# Allegro board RK_NVR_DEMO1_RK3588_LP4XD200P232SD8_V21_20211228_final_lint.brd (continued)
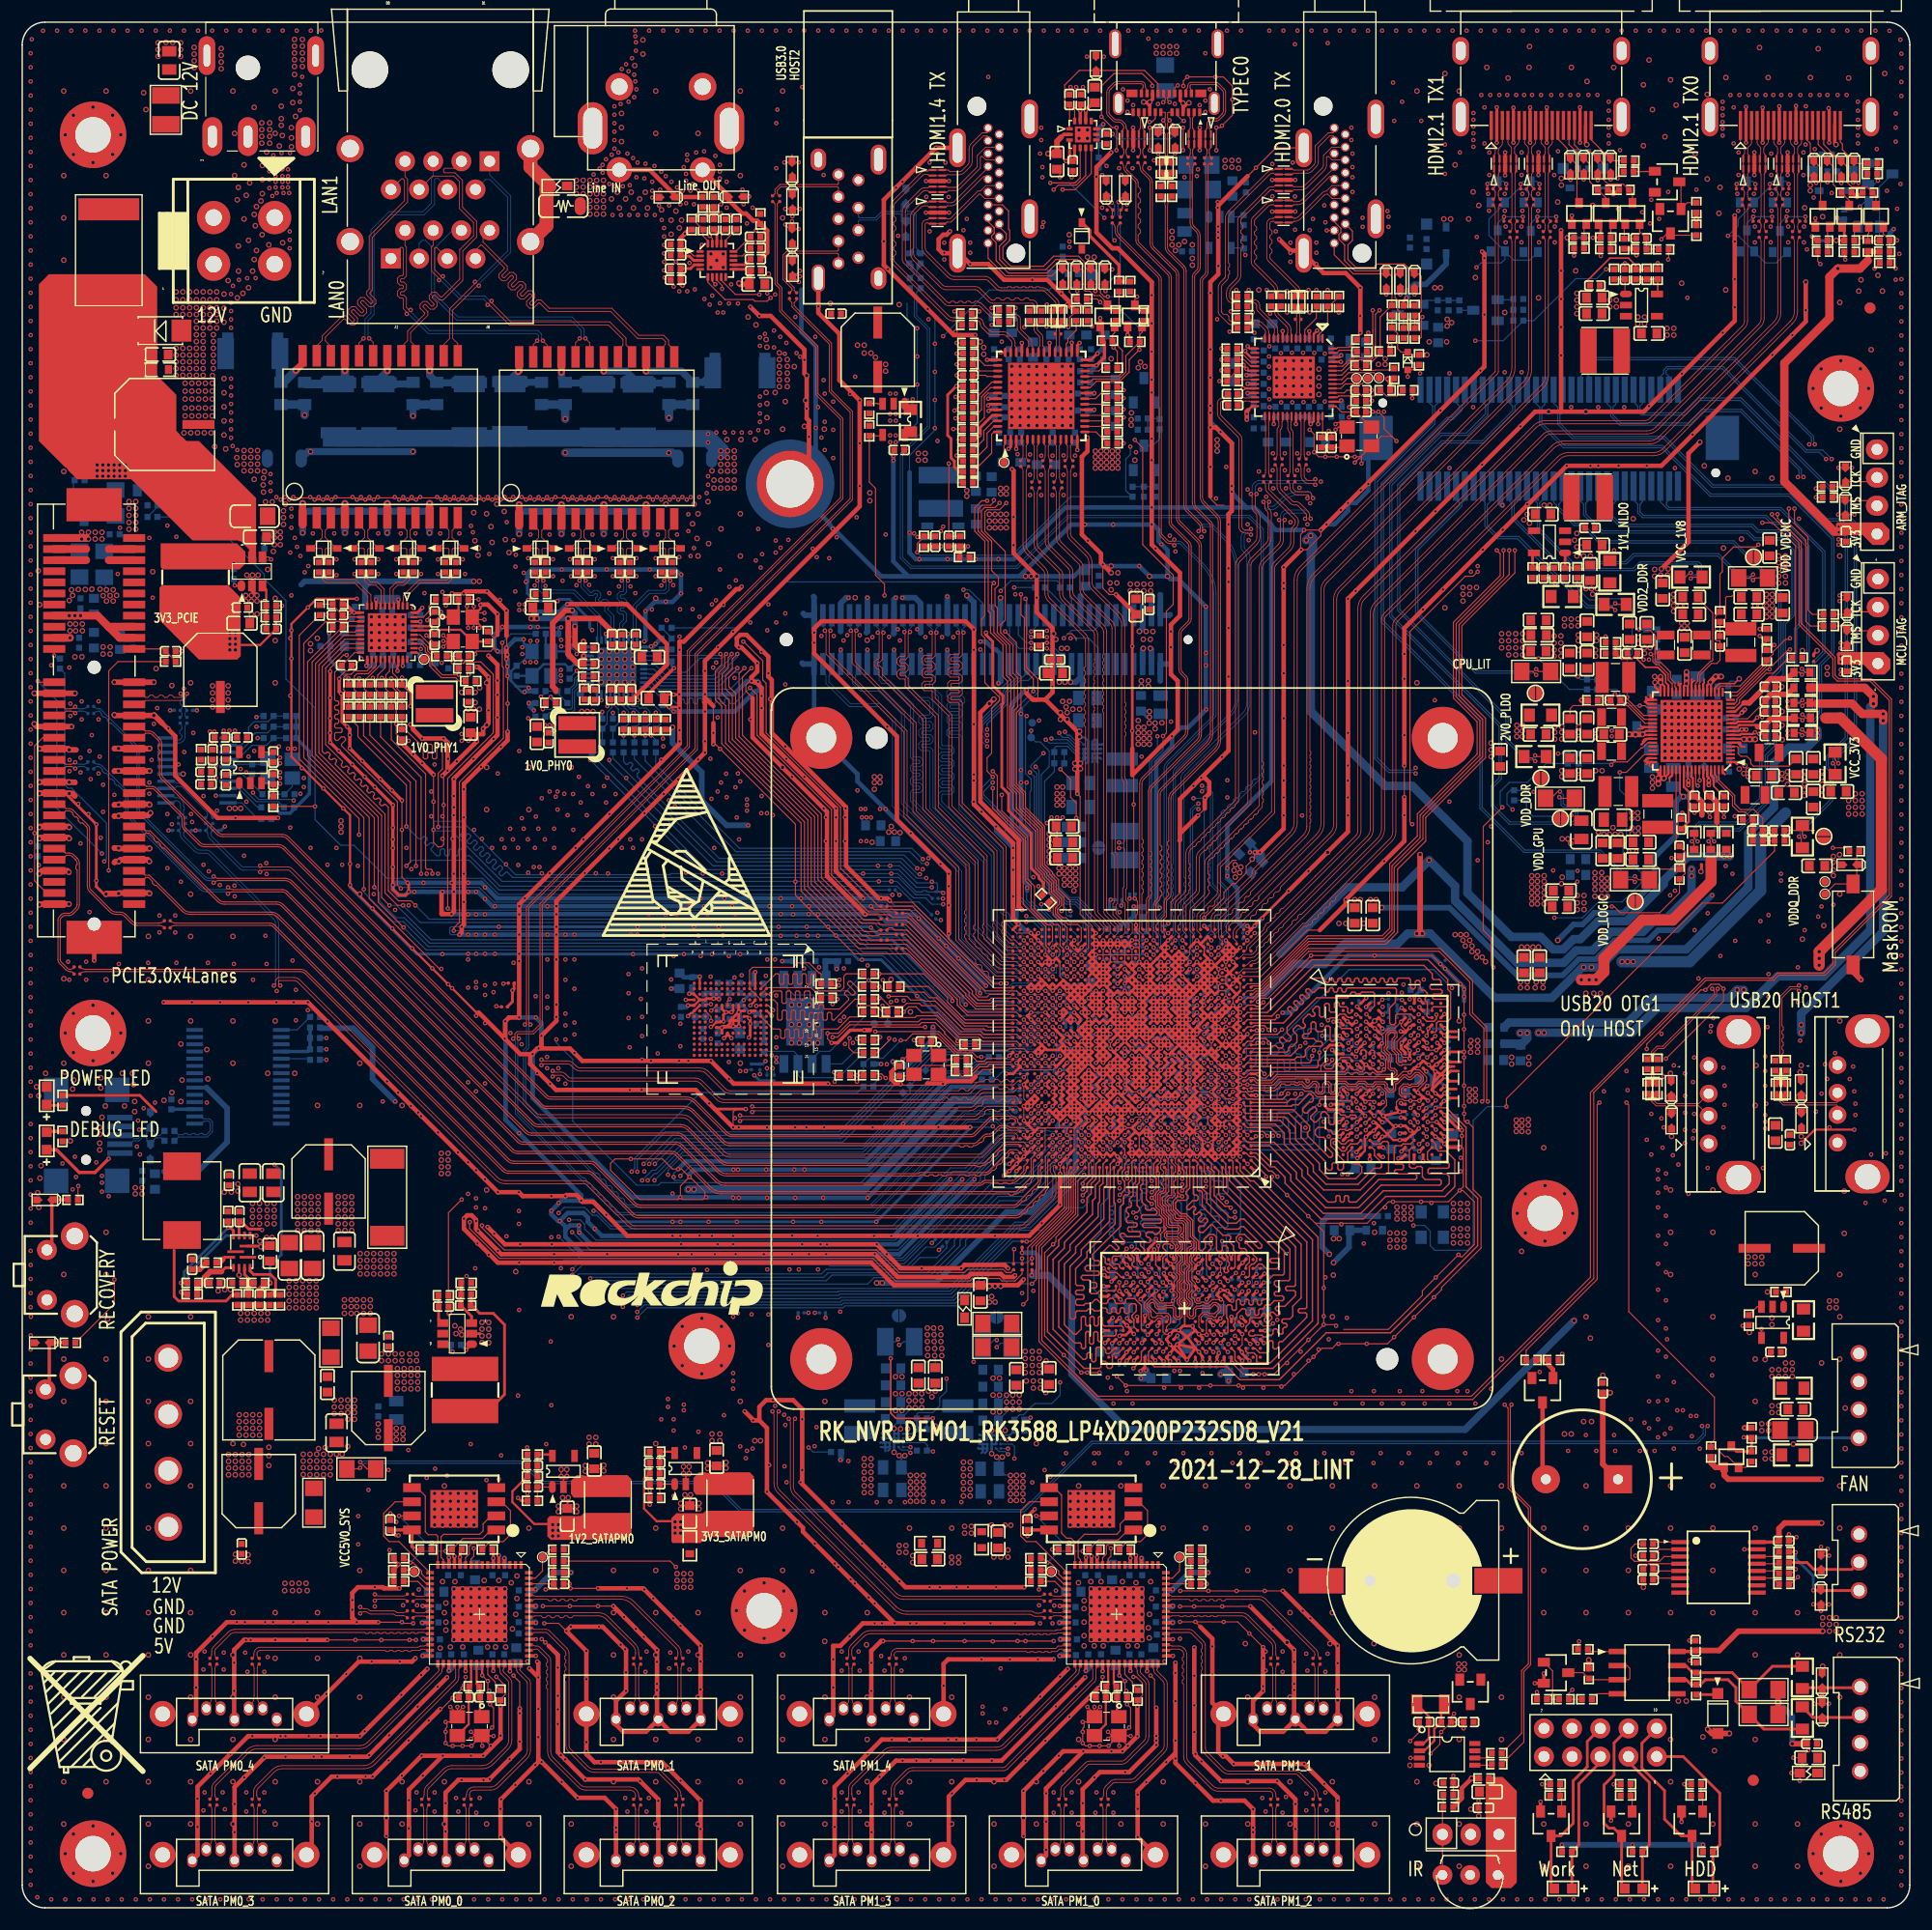
[diagram p0: board, top side]
## Routing (per net, layer and track width the routed paths; a pad name or vN(x,y) marks a point on that pad's centre or on a via; arc(x,y) is an arc through that point) (continued)
  L6-S2 w0.102: v1(33.17,35.55) 32.99,35.37 32.99,29.79 v1(33.98,28.8) ; 62.66,80.31 62.66,78.98 v1(63.24,78.4) 63.29,78.35 63.85,78.35 v1(63.9,78.4) 63.93,78.38 65.4,78.38 v1(65.48,78.45) 66.5,78.45 66.93,78.88 73.43,78.88 73.84,78.48 73.84,78.17 73.33,77.67 71.7,77.67 71.6,77.56 v1(67.94,77.56) 62.76,77.56 62.05,78.27 v1(62.05,78.33) v1(62.05,79.42) 61.93,79.42 61.54,79.8 61.54,80.1 61.75,80.31 62.66,80.31 ; 62.66,80.31 63.09,80.74 v1(63.42,80.74) v1(63.9,80.74) 63.96,80.74 64.29,80.41 65.29,80.41 v1(65.52,80.18) ; 97.46,54.86 v1(97.2,55.11) 96.82,55.49 96.82,55.72 ; 97.46,54.86 98.35,54.86 98.85,54.35 ; 97.46,54.86 97.36,54.86 96.9,54.4 96.75,54.4 96.64,54.5 96.64,55.54 96.82,55.72 ; v1(151.86,89.65) 149.05,89.65 147.47,91.24 145.13,91.24 144.41,91.97 144.41,93.65 143.23,94.82 141.31,94.82 140.18,95.95 v2(139.52,95.95) ; 71.04,85.03 70.3,85.03 69.97,84.7 69.97,83.89 70.18,83.69 ; 71.04,85.03 71.55,85.03 v1(71.8,84.78) 72.05,85.03 73.69,85.03 v1(74.04,84.68) 74.45,84.27 74.45,84.17 74.42,84.15 ; 71.04,85.03 71.8,84.27 74.3,84.27 74.42,84.15 ; 112.21,56.13 112.21,62.48 111.61,63.08 ; 112.21,56.13 112.21,55.38 110.26,53.43 110.26,51.94 110.04,51.71 v1(109.93,51.71) 109.71,51.94 109.01,51.94 108.89,51.81 108.89,51.02 v1(108.68,50.82) 108.89,50.82 109.17,50.54 109.4,50.54 109.65,50.79 110.08,50.79 110.87,51.58 110.87,53.03 112.82,54.98 112.82,63.37 110.27,65.92 ; 112.21,56.13 112.08,56 110.92,56 110.54,55.61 v1(110.51,55.61) 109.88,54.98 109.4,54.98 108.77,55.61 v1(108.6,55.61) ; 96.92,52.98 97.19,53.24 97.33,53.24 97.43,53.14 97.43,52.61 98.24,51.81 ; 96.92,52.98 96.29,52.98 95.93,53.33 95.93,62.98 96.31,63.37 96.31,64.51 97.08,65.27 97.08,65.92 ; 96.92,52.98 98.09,51.81 98.24,51.81 ; 95.52,65.92 94.54,64.94 94.54,60.06 94.16,59.68 94.16,58 ; 70.18,83.69 69.19,83.69 68.73,83.23 63.93,83.23 63.83,83.33 63.83,84.01 64.03,84.22 64.67,84.22 v1(64.82,84.07) 64.94,83.95 66.94,83.95 v1(67,84.02) 68.36,84.02 70.03,85.69 74,85.69 75.95,83.74 76.19,83.74 76.56,83.37 76.56,83.13 76.84,82.85 77.02,82.67 78.02,82.67 78.05,82.64 78.2,82.64 78.28,82.57 78.28,82.44 78.42,82.31 78.42,82.02 78.28,81.88 v1(78.28,81.65) ; 70.18,83.69 74.31,83.69 77.1,80.89 77.9,80.89 78.28,81.27 v1(78.28,81.65) ; 140.12,93.92 140.01,94.02 139.62,94.02 138.71,94.94 135.71,94.94 134.59,96.05 v1(132.05,96.05) 130.12,96.05 ; 140.12,93.92 140.12,93.5 v1(140.14,93.48) ; 140.12,93.92 140.36,93.68 142.76,93.68 143.23,93.21 143.23,91.38 144.96,89.65 ; 96.82,55.72 96.7,55.85 96.7,62.86 97.08,63.24 97.08,64.25 97.97,65.14 97.97,65.92 ; v1(62.87,120.64) 89.08,120.64 90.4,119.32 ; v1(64.69,41.6) 65.61,41.6 v1(65.81,41.39) 66.72,41.39 ; 111.54,82.42 114.33,85.21 115.49,85.21 v1(116.13,85.85) 116.58,85.39 121.38,85.39 v1(121.84,85.85) 122.4,85.29 127.58,85.29 v1(127.79,85.08) v1(129.58,83.29) 129.92,82.95 v1(129.92,82.78) v1(129.92,82.14) v1(129.92,80.51) ; 51.28,117.9 48.33,117.9 v1(48.23,117.8) ; 101.3,65.92 101.27,65.9 101.27,58.42 100.94,58.08 v1(100.84,58.08) 100.84,57.98 100.53,57.68 100.53,56.77 ; 98.85,54.35 98.25,53.74 v1(98.25,53.18) 98.25,52.91 98.59,52.57 99.47,52.57 v1(99.54,52.5) 100.17,51.87 v1(100.17,51.72) 100.53,51.36 100.53,50.69 100.38,50.54 99.36,50.54 99.18,50.72 99.18,51.25 v1(98.88,51.55) 98.63,51.81 98.24,51.81 ; 98.85,54.35 99.54,54.35 100.75,55.56 100.75,55.59 v1(100.76,55.61) 100.8,55.61 100.9,55.71 100.9,55.71 101.42,56.23 v1(101.42,56.43) 101.08,56.77 100.53,56.77 ; v1(43.6,94.06) 43.33,94.33 34.31,94.33 33.81,93.82 v1(33.4,93.82) ; 140.59,88.51 140,88.51 138.69,89.82 v2(138.69,92.32) 138.69,92.82 138.76,92.88 v2(138.76,92.91) 138.66,93.01 138.6,93.01 138.5,93.11 138.5,93.25 138.23,93.51 v1(137.95,93.51) 135.41,93.51 134.29,94.63 131.24,94.63 131.14,94.53 v1(131.14,94.43) ; v1(111.93,57.16) 111.55,56.79 110.95,56.79 110.54,57.19 110.54,57.52 111.61,58.6 111.61,63.08 ; v1(82.98,91.48) 82.95,91.48 82.57,91.1 82.57,90.77 82.88,90.47 v1(82.98,90.47) ; 68.06,72.95 67.56,73.45 62.2,73.45 62.02,73.27 ; 111.54,80.92 112.09,80.92 115.21,84.04 125.93,84.04 v1(126.29,83.69) 126.29,83.33 126.79,82.82 126.79,79.36 v1(126.7,79.26) ; 90.4,119.32 v2(90.4,120.03) ; 90.4,119.32 v1(90.4,118) ; v1(106.58,100.07) 106.53,100.02 v1(105.53,100.02) ; v1(125.9,81.86) 125.98,81.94 125.98,82.11 125.42,82.67 125.12,82.67 124.56,83.23 v1(124.46,83.23) 124.28,83.41 115.44,83.41 112.27,80.23 111.56,80.23 111.54,80.21 ; v1(147.39,42.41) 147.5,42.31 148.31,42.31 148.51,42.51 v1(148.51,43.22) ; 107.47,65.92 108.06,65.33 108.5,65.33 110.67,63.16 110.67,58.79 110.02,58.15 v1(109.97,58.15) ; 74.42,84.15 76.92,81.65 77.37,81.65 77.37,81.66 77.66,81.66 77.67,81.65 v1(78.28,81.65) ; v1(86.84,83.12) 86.92,83.19 86.92,84.13 82.07,88.98 82.07,90.26 81.84,90.49 81.84,91.37 82.36,91.89 82.36,92.26 82.12,92.5 v1(81.96,92.5) 81.93,92.46 81.65,92.46 81.18,91.99 81.18,90.16 81.46,89.88 81.46,88.48 85.58,84.35 85.58,83.17 v1(86.31,82.44) ; 120.67,78.25 120.67,79.38 120.19,79.86 v1(120.19,79.88) 119.44,79.88 v1(119.4,79.91) 119.21,79.91 118.9,79.6 118.44,79.6 v1(118.16,79.88) 117.93,79.65 117.63,79.65 117.14,79.16 v1(117.14,78.61) 117.09,78.66 116.3,78.66 v1(115.62,77.97) 115.62,77.61 115.3,77.29 111.54,77.29 ; 120.67,78.25 v1(120.95,77.97) ; 120.67,78.25 120.65,78.27 120.44,78.27 120.41,78.25 120.14,78.25 120.11,78.27 119.79,78.27 119.76,78.25 v1(119.35,78.66) 119.3,78.66 119,78.96 118.39,78.96 118.16,78.73 118.16,78.1 v1(117.4,77.34) 117.27,77.46 116.48,77.46 116.38,77.36 v1(116.38,77.29) 116.38,77.27 116.28,77.17 116.08,77.17 115.49,76.57 111.54,76.57 ; 67.1,71.62 67.1,72 66.47,72.64 64.44,72.64 63.8,72 ; 65.2,113.63 65.2,113.23 64.62,112.64 62.66,112.64 62.18,113.12 ; 158.67,82.85 159.28,82.24 160.3,82.24 160.6,82.54 160.6,82.85 v1(160.7,82.95) ; v1(65.1,44.75) 65.89,43.96 v1(65.86,43.93) 65.91,43.93 66.32,43.53 v1(68.76,43.53) 69.77,43.53 v1(70.28,44.04) ; 111.54,70.84 114.62,70.84 115.11,70.35 115.59,70.35 v1(115.62,70.32) 115.64,70.35 116.25,70.35 116.53,70.07 117.09,70.07 117.63,69.54 v1(117.73,69.54) 118.06,69.87 119.15,69.87 v1(119.43,69.59) ; 111.61,63.08 108.88,65.81 ; v1(62.25,111.8) 62.76,111.8 63.07,112.11 64.67,112.11 66.72,114.16 66.72,114.75 v1(67.13,115.16) 67.23,115.16 v1(67.95,115.87) v1(68.76,116.68) ; 111.54,68.11 112.04,67.6 113.42,67.6 113.84,67.18 118.92,67.18 119.2,66.9 123.34,66.9 v1(124,67.56) 124.25,67.56 124.64,67.94 124.64,69.63 v1(125.07,70.07) 125.23,70.22 125.71,70.22 125.73,70.24 v1(125.83,70.24) 126.19,70.6 126.67,70.6 126.92,70.35 126.92,69.94 v1(127.35,69.51) 127.3,69.51 v1(126.61,68.83) 126.61,68.85 126.26,69.21 125.4,69.21 125.27,69.08 125.27,67.56 124.89,67.18 124.89,66.67 124.36,66.13 v1(119.43,66.13) v1(118.92,66.13) 118.77,65.98 114.15,65.98 113.21,66.92 111.68,66.92 111.54,67.07 ; 100.53,56.77 100.15,56.38 v1(100.12,56.38) 100.12,56.41 99.77,56.76 99.46,56.76 99.11,57.11 99.11,57.54 v1(99.53,57.96) 99.53,58.25 100.26,58.98 v1(100.39,58.98) 100.39,59.06 100,59.45 100,59.58 v1(99.97,59.61) 99.9,59.68 99.85,59.68 99.74,59.78 99.74,61.76 99.98,62 100.16,62 v1(100.38,62.22) 100.61,62.45 100.61,62.93 100.34,63.2 100.34,64.93 100.12,65.14 100.12,65.8 100,65.92 ; v1(119.35,70.81) 119.01,70.48 118.55,70.48 118.17,70.86 v1(117.27,70.86) 117.27,71.24 116.9,71.61 111.54,71.61 ; 70.46,119.93 70.76,120.24 88.77,120.24 89.79,119.22 89.79,118.81 89.48,118.51 v1(89.48,118.41) ; v1(62.28,104.89) 71.35,113.97 v1(71.35,114.04) ; v1(71.35,114.95) 71.35,117.14 73.02,118.81 84.3,118.81 84.81,118.31 v2(85.11,118.31) 85.32,118.51 85.32,118.91 85.01,119.22 72.84,119.22 70.48,116.87 70.48,115.16 70.38,115.05 ; v1(151.66,82.75) 151.97,82.44 152.88,82.44 v1(153.29,82.85) ; v1(110.58,49.31) 110.62,49.27 111.81,49.27 114.09,51.55 114.09,64.13 v1(113.97,64.25) 114.09,64.25 114.48,64.64 125.4,64.64 129.72,68.95 v1(129.72,69.59) ; 62.28,72.51 62.81,73.04 66.95,73.04 67.23,72.76 ; v1(125.83,80.54) 125.58,80.54 125.45,80.41
  L6-S2 w0.254: 101.98,71.16 101.95,71.13 v1(101.95,70.31) v1(101.95,69.66) 101.95,69.66 v1(101.95,69.01) v1(101.95,68.36) 101.95,67.71 v1(101.95,67.71) ; v1(31.77,27.17) 31.98,26.97
  L6-S2 w0.305: 94.16,58 94.16,52.06 97.09,49.13 97.09,48.7 97.08,48.68 v1(97.08,48.25)
  L6-S2 w0.406: 61.81,112.76 v1(62.69,113.63) v1(64.56,113.63) 65.2,113.63 65.61,114.04 65.61,114.34 ; 61.81,112.76 58.65,109.59 51.78,109.59 ; 61.81,112.76 61.81,112.21 62.22,111.8 v1(62.25,111.8) ; v1(90.55,91.94) 90.55,92.3 84.55,98.29 v1(76.48,98.29) v1(76.07,98.29) v1(75.66,98.29) v1(74.14,98.29) 69.78,98.29 67.03,95.54 v1(62.35,95.54) v1(55.04,95.54) v1(54.02,95.54) 52.96,95.54 v1(52.91,95.49) 52.86,95.54 v1(49.86,95.54) v1(34.62,95.54) v1(33.4,95.54) v1(28.32,95.54) 11.53,95.54 v2(11.48,95.5) 8.71,95.5 v2(8.68,95.52) ; v1(150.69,88.13) 148.74,88.13 147.22,89.65 143.13,89.65 142.8,89.98 v2(140.73,89.98) v2(140.12,89.98) v2(140.12,90.59) v2(140.12,91.25) v1(140.12,92.5) 140.12,93.45 v1(140.14,93.48) ; v1(150.69,88.13) v1(153.01,85.8) 153.29,85.53 v1(153.29,82.85) ; v1(150.69,88.13) 153.39,88.13 v1(154.35,87.17) v1(157.35,84.17) 158.67,82.85 ; 62.02,73.27 56.28,73.27 v1(55.82,73.72) 47.37,82.18 v1(46.26,82.18) 43.72,82.18 v1(42.59,83.3) 41.86,83.3 v1(41.7,83.15) v1(41.7,82.29) 42.15,81.84 42.91,81.84 43.34,81.41 47.06,81.41 v1(54.75,73.72) 55.96,72.51 v1(61.9,72.51) 62.28,72.51 ; v1(147.39,42.41) 146.07,42.41 144.85,41.19 v1(143.53,41.19) v1(141.83,41.19) v1(139.29,41.19) 136.32,41.19 135.23,40.1 v1(134.46,40.1) v1(131.92,40.1) v1(129.38,40.1) v1(126.84,40.1) v1(124.3,40.1) v1(121.76,40.1) v1(119.22,40.1) v1(116.68,40.1) v1(114.14,40.1) v1(111.6,40.1) v1(109.06,40.1) v1(106.52,40.1) v1(103.98,40.1) v1(101.44,40.1) v1(98.9,40.1) 93.88,40.1 v1(93.82,40.04) 92.02,38.24 92.02,36.72 v1(91.23,35.93) 91.08,35.78 71.45,35.78 v1(68.87,38.36) v1(67.31,39.92) 66.7,40.53 v1(65.2,40.53) 64.69,41.04 v1(64.69,41.6) ; v1(33.17,35.55) 35.66,38.04 40.41,38.04 v1(43.15,40.78) v1(47.67,45.31) v1(47.67,60.44) v1(47.67,62.83) v1(47.67,64.15) 47.67,73.29 48.29,73.91 48.56,73.91 v1(48.94,74.29) ; v1(47.62,109.15) 48.19,109.72 50.72,109.72 51.48,110.48 v2(52.17,110.48) v2(52.88,110.48) v2(53.59,110.48) v2(54.3,110.48) v2(55.01,110.48) 56.26,110.48 56.77,110.99 58.7,110.99 62.35,114.65 65.3,114.65 65.61,114.34 ; 48.23,100.22 48.03,100.02 47.32,100.02 46.91,100.42 46.91,101.13 47.65,101.87 v1(52.7,101.87) 58.24,101.87 v1(61.52,105.15) v1(62.28,105.91) 70.38,114.01 70.38,115.05 ; 48.23,100.22 v1(48.23,100.63) 48.23,100.7 48.64,101.11 v1(50.98,101.11) v1(52.42,101.11) 58.49,101.11 v1(59.1,101.72) v1(59.72,102.34) v1(60.9,103.52) v1(61.52,104.13) v1(62.28,104.89) ; 48.23,100.22 48.59,99.86 49.1,99.86 v1(49.63,100.4) v1(51.38,100.4) v1(53.46,100.4) 58.81,100.4 v1(60.21,101.8) v1(62.01,103.59) v1(62.88,104.47) 67.38,108.96 v1(67.4,108.96) 67.4,108.99 69.08,110.67 ; 48.23,100.22 v1(48.23,99) ; 67.99,117.47 60.81,117.47 v1(60.41,117.07) 59.41,116.07 v1(58.07,116.07) 53.21,116.07 51.38,117.9 51.28,117.9 ; 67.99,117.47 65.96,115.44 65.96,114.7 65.61,114.34 ; 67.99,117.47 70.46,119.93 ; v1(33.98,28.8) 33.3,28.11 33.3,26.89 32.15,25.75 v1(32.08,25.75) 31.95,25.75 31.75,25.95 30.15,25.95 29.74,26.36 v1(29.74,26.87) v1(29.74,27.74) 29.74,28.39 30.27,28.92 v1(30.27,32.77) v1(30.27,35.31) 30.27,36.75 v1(31.2,37.67) v1(33,39.47) v1(34.79,41.26) 35.33,41.8 v1(40.41,41.8) 44.75,46.14 v1(44.75,61.65) ; v1(41.3,117.44) 41.48,117.44 41.93,117.9 v1(43.05,117.9) v1(45.59,117.9) 48.13,117.9 v1(48.23,117.8) ; v1(33.4,93.82) 34.21,93.01 35.28,93.01 35.96,92.32 41.91,92.32 42.6,91.63 68.8,91.63 71.11,93.93 v1(77.1,93.93) v1(78.2,93.93) ; 140.59,88.51 141.93,88.51 v1(142.31,88.13) 146.68,88.13 v1(147.44,87.37) v1(151.04,83.78) 151.66,83.15 v1(151.66,82.75) ; v1(85.75,113.4) v1(83.35,113.4) v1(80.95,113.4) v1(78.55,113.4) v1(76.15,113.4) v1(73.75,113.4) ; v1(160.7,82.95) 160.7,83.76 v1(157.35,87.11) 154.81,89.65 v1(151.86,89.65) ; v1(132.36,97.48) 130.83,97.48 v1(128.6,99.71) 126.7,101.61 v1(119.45,101.61) v1(113.66,101.61) 106.89,101.61 106.64,101.86 v1(106.23,101.86) 106.22,101.85 106.18,101.85 105.53,101.2 v1(105.53,101.13) v1(105.53,100.02) 105.23,99.71 105.23,98.87 105.64,98.47 v1(105.94,98.47) v1(113.66,98.47) v1(115.32,98.47) v1(119.45,98.47) 124.51,98.47 v1(124.53,98.49) 125.55,98.49 129.61,94.43 v1(131.14,94.43) ; 67.23,72.76 v1(69.64,70.35) 70.91,69.08 88.42,69.08 89,69.66 v1(90.25,69.66) v1(90.9,69.66) ; v1(70.28,44.04) 70.28,45.56 67.1,48.73 v1(67.1,64) v1(67.1,70.35) 67.1,71.62 ; 66.72,41.39 67.09,41.39 v1(68.69,39.8) v1(70.12,38.36) 71.92,36.57 v1(73.02,36.57) v1(74.46,36.57) v1(77,36.57) v1(79.54,36.57) v1(82.08,36.57) v1(84.62,36.57) v1(87.16,36.57) 87.96,36.57 88.11,36.72 v2(89.05,36.72) v2(89.58,36.72) v2(90.17,36.72) 90.5,36.72 91.01,37.23 v1(91.01,38.35) v1(92.12,39.46) 93.65,40.99 v1(94.05,40.99) v1(96.59,40.99) v1(97,40.99) v1(99.54,40.99) v1(102.08,40.99) v1(104.62,40.99) v1(107.16,40.99) v1(109.7,40.99) v1(112.24,40.99) v1(114.78,40.99) v1(117.32,40.99) v1(119.86,40.99) v1(122.4,40.99) v1(124.94,40.99) v1(127.48,40.99) v1(130.02,40.99) v1(132.56,40.99) v1(135.1,40.99) 136.12,42 144.65,42 145.87,43.22 v1(146.58,43.22) v1(148.51,43.22) ; v1(44.75,61.65) v1(43.63,60.54) v1(40.04,56.94) ; v1(44.75,61.65) v1(44.75,62.82) v1(44.75,64.51) 44.75,75.94 45.77,76.95 v1(46,76.95) 46.51,77.46 v1(46.53,77.46) 47.93,77.46 48.94,76.45 v1(48.94,74.29) ; v1(62.87,120.64) v1(61.07,118.85) v1(59.28,117.05) 59.26,117.04 v1(56.74,117.04) 53.36,117.04 51.73,118.66 v1(44.43,118.66) v1(41.89,118.66) 40.76,118.66 40.41,118.31 40.41,117.64 v1(40.08,117.31) ; 69.08,110.67 71.03,112.62 86.54,112.62 86.94,113.02 86.94,113.73 86.54,114.14 v1(86.33,114.14) 86.23,114.24 v1(79.08,114.24) v1(74,114.24) 71.55,114.24 v1(71.35,114.04) ; 69.08,110.67 69.08,110.6 v1(68.76,110.28) ; v1(33.4,96.32) v1(43.2,96.32) v1(44.22,96.32) v1(45.57,96.32) v1(47.09,96.32) v1(50.57,96.32) v1(53.72,96.32) v1(54.79,96.32) v1(55.85,96.32) v1(64.59,96.32) 66.66,96.32 69.44,99.1 v1(73.33,99.1) v1(74.19,99.1) 74.31,99.1 74.36,99.05 v1(75.56,99.05) v1(75.97,99.05) v1(77.29,99.05) v1(77.8,99.05) 84.86,99.05 90.88,93.03 90.98,93.03 v1(91.11,92.91) ; v1(65.1,44.75) 64.06,45.79 v1(64.06,46.8) v1(64.06,47.49) v1(64.06,48.2) v1(64.06,53.28) v1(64.06,59.81) v1(64.06,60.57) v1(64.06,64) v1(64.06,70.35) 63.8,70.6 63.8,72 ; v1(87.45,70.45) 86.84,69.84 71.17,69.84 v1(70.66,70.35) 68.06,72.95 ; 130.12,96.05 126.06,100.12 v1(124.53,100.12) 124.51,100.09 v1(119.45,100.09) v1(113.66,100.09) v1(108.58,100.09) 106.63,100.09 106.6,100.07 v1(106.58,100.07) ; v1(76.07,96.16) 70.58,96.16 67.68,93.25 v1(47.52,93.25) v1(46.82,93.25) 44.4,93.25 v1(43.6,94.06) ; v1(48.94,74.29) 48.94,65.68 50.37,64.25 v1(50.37,63.75) ; v2(139.52,95.95) 139.52,96.11 v2(139.27,96.36) v2(138.76,96.36)
  BOTTOM w0.089: 93.14,76.45 C1110.2 93.22,76.52 ; 93.14,76.45 93.75,76.45 ; 93.14,76.45 93.17,76.48 93.17,77.12 ; C1041.2 99.75,83.54 R1405.2 ; 91.21,73.89 91.87,73.89 v1(92.2,74.21) ; 91.21,73.89 90.76,73.89 90.75,73.91 90.6,73.91 90.5,74.01 ; 91.21,73.89 91.21,74.07 91.22,74.08 91.22,74.35 91.21,74.36 91.21,74.52 ; v1(105.85,70.31) 105.98,70.31 106.25,70.05 106.31,70.05 106.36,69.99 106.71,69.99 106.75,69.94 ; 93.12,84.29 93.16,84.29 93.17,84.27 93.17,84.94 v1(92.85,85.26) 92.85,85.43 93.14,85.72 93.14,85.75 93.17,85.78 93.17,86.05 93.14,86.08 93.14,86.27 v1(92.85,86.56) 92.85,88.52 92.41,88.96 ; 93.12,84.29 91.94,84.29 ; 93.12,84.29 93.14,84.27 ; 88.47,74.83 88.67,75.02 v1(88.67,75.2) ; v1(107.8,69.66) 107.8,69.47 108.12,69.15 108.12,68.04 v1(108.45,67.71) ; 91.77,75.74 91.77,75.1 91.87,75 91.87,74.54 ; 93.14,82.34 93.14,82.18 93.17,82.15 93.17,81.23 93.14,81.2 93.14,81.02 93,81.02 92.98,81.04 92.71,81.04 92.69,81.02 92.5,81.02 v1(92.2,80.71) 92.5,80.41 ; 92.53,70.55 92.53,70.82 92.52,70.83 92.52,71.1 92.53,71.1 92.53,71.35 C1816.2 ; 100.15,84.78 99.75,84.37 R1401.2 ; v1(97.4,67.71) 97.72,68.04 97.72,68.69 v1(97.4,69.01) 97.53,69.01 97.85,68.69 98.28,68.69 98.37,68.78 98.37,69.15 98.42,69.2 98.42,69.44 ; 91.87,84.32 91.91,84.29 91.94,84.29 ; 91.87,84.32 91.82,84.27 ; 91.87,84.32 91.87,85.03 91.82,85.08 ; 107.57,79.09 106.63,79.09 106.35,79.09 106.02,78.76 v1(105.85,78.76) ; v1(94.15,74.21) 93.82,74.54 92.55,74.54 92.23,74.21 v1(92.2,74.21) ; 91.87,74.54 91.85,74.52 91.7,74.52 91.68,74.54 91.41,74.54 91.39,74.52 91.31,74.52 ; 91.87,74.54 v1(92.2,74.21) ; v1(91.55,87.21) 91.21,86.87 91.21,86.71 91.22,86.7 91.22,86.43 91.21,86.41 91.21,86.06 91.22,86.05 91.22,85.59 v1(91.55,85.26) ; 106.14,78.48 106.32,78.48 106.36,78.44 U1000.W7 v1(107.15,78.11) ; v1(101.3,67.71) 101.16,67.71 100.96,67.91 100.96,69.33 v1(101.3,69.66) v1(101.3,70.31) ; 88.47,70.05 89.52,70.05 89.71,70.24 92.21,70.24 92.43,70.45 ; v1(104.55,85.26) 104.55,85.26 104.87,84.94 105.49,84.94 ; 106.25,84.27 106,84.27 105.98,84.29 105.71,84.29 105.7,84.27 105.53,84.27 105.53,84.47 105.52,84.48 105.52,84.88 105.53,84.89 105.49,84.94 ; R1402.2 106.72,89.02 v1(106.5,89.24) ; 103.65,69.99 103.32,69.66 v1(103.25,69.66) v1(103.9,69.01) ; 103.65,69.99 104.13,69.99 104.45,69.66 v1(104.55,69.66) ; 103.65,69.99 103.57,70.06 103.57,70.68 103.53,70.73 ; v1(102.6,68.36) 102.46,68.5 102.46,68.57 102.16,68.88 102.08,68.88 v1(101.95,69.01) ; 93.97,82.29 93.92,82.34 93.63,82.34 93.63,82.34 93.36,82.34 93.36,82.34 93.24,82.34 ; 106.75,75.23 106.75,75.06 106.82,75 106.82,74.73 107.01,74.54 107.04,74.54 107.04,74.54 107.34,74.54 107.67,74.21 v1(107.8,74.21) ; 91.94,84.29 91.92,84.27 ; 98.12,82.95 99.06,82.95 v1(99.35,82.66) ; v1(100.25,90.97) 100.3,91.02 C1609.2 ; 91.11,72.08 91.25,71.94 91.87,71.94 v1(92.2,71.61) ; v1(100,67.71) v1(100,68.36) v1(100,69.01) 99.68,69.33 99.48,69.33 99.48,69.34 99.21,69.34 99.21,69.33 99.03,69.33 99.03,69.16 99.02,69.15 99.02,68.88 99.03,68.87 99.03,68.83 98.73,68.52 ; 92.5,80.41 92.5,80.22 92.52,80.2 92.52,79.6 92.53,79.6 ; 92.5,80.41 92.69,80.41 92.71,80.39 92.98,80.39 93,80.41 93.24,80.41 ; 95.17,81.02 95.15,81.04 94.25,81.04 93.87,80.66 ; 105.53,84.98 105.49,84.94 ; v1(107.8,74.86) 107.66,75 107.53,75 107.34,75.19 107.01,75.19 106.97,75.23 106.86,75.23 ; 100.45,70.86 100.15,70.55 99.74,70.55 ; v1(88.95,66.41) 88.86,66.5 88.52,66.5 ; C1901.2 93.19,77.92 92.94,77.67 92.94,77.36 93.17,77.12 ; 107.36,68.52 107.36,68.01 107.47,67.91 ; 88.67,68.32 88.47,68.32 ; 93.17,77.12 93.21,77.16 93.65,77.16 ; 103.77,82.99 104.18,82.57 104.18,82.44 ; 105.43,85.69 105.43,85.89 105.17,86.16 C1421.2 ; v1(107.15,69.01) 107.47,68.69 108.77,68.69 v1(109.75,67.71) ; 93.85,69.44 93.75,69.33 93.63,69.33 93.63,69.34 92.98,69.34 92.71,69.34 92.71,69.33 92.43,69.33 91.78,68.69 91.34,68.69 91.07,68.42 90.96,68.42 v1(90.9,68.36) ; C1804.2 94.47,69.26 94.47,68.23 94.15,67.9 v1(94.15,67.71) ; 108.07,71.06 107.8,71.34 v1(107.8,71.61) 107.66,71.75 107.58,71.75 107.28,72.05 107.28,72.13 v1(107.15,72.26) ; 88.47,72.26 88.82,72.26 89,72.08 ; v1(92.2,85.26) 92.2,85.1 92.52,84.78 92.52,83.83 92.53,83.82 92.53,83.66
  BOTTOM w0.102: 47.99,111.05 Y6700.2 ; 47.99,111.05 v1(48.54,111.6) ; 47.99,111.05 48.07,111.05 ; v2(89.58,38.98) v2(89.58,38.42) v2(89.58,37.89) v2(89.58,37.3) v2(89.58,36.72) ; v2(89.58,38.98) v2(90.17,38.98) v2(90.17,38.42) v2(90.17,37.89) v2(90.17,37.3) v2(90.17,36.72) ; v2(89.58,38.98) v2(89.05,38.98) ; v1(43.64,113.58) 43.71,113.5 v1(43.71,112.96) ; v2(89.05,36.72) v2(89.05,37.3) v2(89.05,37.89) v2(89.05,38.42) v2(89.05,38.98) ; 92.41,88.96 90.5,90.87 90.5,91.63 90.55,91.68 ; 79.95,129.4 79.95,130.92 82.23,133.21 v1(82.23,133.38) v1(82.23,135.92) v1(82.23,138.46) v1(82.23,141) 82.23,143.54 81.76,144.01 ; U4300.4 68.24,76.08 68.07,76.24 v1(67.94,76.24) ; 52.8,93.23 52.79,93.23 v1(52.78,93.24) ; 52.8,93.23 52.7,93.13 44.45,93.13 39.64,97.94 37.16,97.94 37.06,97.84 v1(37.06,97.17) 37.16,97.07 38.68,97.07 43.23,92.52 v1(77.18,92.52) v1(78.31,92.52) 78.82,92.52 80.31,91.04 81.39,91.04 81.96,90.47 v1(82.98,90.47) ; 52.8,93.23 52.91,93.13 58.37,93.13 58.48,93.23 v1(61.32,93.23) ; v2(87.81,40.63) 88,40.44 88,40.32 ; 79.16,44.08 79.91,44.82 v2(79.91,45.08) v2(79.91,45.71) v2(79.91,46.35) 79.16,45.61 79.16,45.87 ; 79.16,44.08 79.16,44.35 ; 79.16,44.08 C2211.2 ; Y6700.4 46.4,113.72 v1(46.4,114.21) ; Y6700.4 45.79,113.12 ; Y6700.4 46.3,112.88 v1(46.3,112.29) ; 80.77,46.75 C2215.2 ; 80.77,46.75 80.77,46.71 80.47,46.4 v2(80.47,46.35) v2(80.47,45.71) v2(80.47,45.08) ; 80.77,46.75 81.05,46.47 v2(81.05,46.35) v2(81.05,45.71) v2(81.05,45.08) ; v1(85.8,65.68) 85.8,65.9 88.22,68.32 88.47,68.32 ; 90.7,96.77 90.85,96.61 90.85,92.96 91.01,92.8 v1(91.11,92.91) ; v2(78.56,43.2) 78.56,43.45 79.14,44.04 ; 87.95,43.95 88.69,44.7 v2(88.69,44.95) v2(88.69,45.59) v2(88.69,46.22) 87.95,45.48 87.95,45.74 ; 87.95,43.95 C2205.2 ; 87.95,43.95 87.95,44.24 ; 45.79,113.12 45.7,113.02 ; 45.79,113.12 v1(45.79,112.29) ; 45.7,113.02 v1(45.06,113.02) ; 45.7,113.02 45.29,112.61 ; 121.99,134.57 121.99,134.15 ; 121.99,134.57 121.99,134.66 v1(122.2,134.87) ; 121.99,134.57 v1(121.69,134.87) ; 121.99,134.15 v1(122.71,134.87) ; 121.99,134.15 J9800.61 ; v1(39.6,88.43) 38.63,88.43 38.53,88.33 38.53,87.83 38.63,87.72 v1(39.39,87.72) ; 99.24,56.02 99.74,56.02 99.85,56.13 ; v2(87.48,44.7) 87.93,44.24 87.95,44.24 ; 89.99,108.04 91.54,109.6 91.54,109.74 91.21,110.08 90.7,110.08 90.5,109.87 v1(90.5,109.77) ; 79.21,40.45 79.21,40.56 v2(79.02,40.76) ; 79.21,40.45 v2(79.53,40.76) ; 79.21,40.45 C2202.2 79.83,39.08 79.93,39.08 v2(80.03,38.98) ; C8431.2 7.49,119.84 7.49,118.71 v2(7.92,118.28) ; 88,40.32 C2200.2 88.57,39.01 89.02,39.01 v2(89.05,38.98) ; 88,40.32 v2(88.31,40.63) ; 87.95,48.22 C2207.2 ; 87.95,48.22 v2(87.48,47.74) ; 87.95,48.22 87.95,47.85 v2(88.06,47.74) ; R8411.2 21.21,107.43 v1(21.11,107.33) ; 45.55,113.63 v1(45.06,113.63) ; v2(80.59,38.98) v2(80.59,38.4) v2(80.59,37.84) v2(80.59,37.28) v2(80.59,36.64) ; v2(80.59,38.98) v2(80.03,38.98) ; v2(80.59,38.98) v2(81.18,38.98) v2(81.18,38.4) v2(81.18,37.84) v2(81.18,37.28) v2(81.18,36.64) ; 79.16,45.87 79.16,46.24 v2(79.27,46.35) ; 79.16,45.87 v2(78.69,46.35) ; 106.5,99.88 106.58,99.96 v1(106.58,100.07) ; 106.5,99.88 106.36,100.02 v1(105.53,100.02) ; 106.5,99.88 v1(106.5,89.24) ; 87.95,45.74 87.95,46.11 v2(88.06,46.22) ; 87.95,45.74 v2(87.48,46.22) ; v2(79.27,47.87) 79.16,47.98 79.16,48.35 ; v1(102.17,55.6) 102.37,55.6 102.69,55.92 102.96,55.92 v1(103.42,56.38) 102.87,56.94 v1(102.87,57.19) 102.87,57.32 103.45,57.9 v1(103.45,58.05) ; v1(78.15,90.8) 78.66,90.29 80.57,90.29 83.46,87.39 ; v1(45.29,112.29) 45.29,112.61 ; 45.29,112.61 44.63,111.95 R6702.2 ; C9101.2 v1(27.4,77.39) ; 109.7,55.92 109.59,55.81 109.59,55.6 109.5,55.51 109.5,55.31 ; v2(80.03,36.64) v2(80.03,37.28) v2(80.03,37.84) v2(80.03,38.4) v2(80.03,38.98) ; 87.93,43.88 87.93,43.91 C2205.2 ; 87.93,43.88 87.35,43.3 v2(87.35,43.03) 87.35,43.04 87.35,43.03 ; 87.93,43.88 v2(87.93,43.03) ; 99.24,56.74 99.85,56.74 99.95,56.84 ; v1(52.91,103.47) 52.91,103.27 62.24,93.93 v1(77.1,93.93) v1(78.2,93.93) 79.06,93.93 80.6,92.39 81.86,92.39 v1(81.96,92.5) 82.07,92.39 82.37,92.39 82.47,92.29 82.47,91.79 82.26,91.58 81.56,91.58 81.45,91.69 81.16,91.69 81.05,91.58 80.55,91.58 78.9,93.23 v1(78.31,93.23) v1(75.76,93.23) v1(63.06,93.23) v1(61.32,93.23) ; C2213.2 79.16,48.35 ; 79.16,48.35 v2(78.69,47.87) ; v1(78.49,130.88) 78.2,131.17 78.2,131.61 v1(78.71,132.12) 78.92,132.12 80.64,133.85 v1(80.64,137.3) v1(80.64,139.84) v1(80.64,142.38) 79.73,143.3 79.73,144.62 ; 157.15,113.37 157.15,114.4 ; v1(61.32,93.23) 61.32,93.33 v1(51.18,103.47) ; 111.53,55.92 111.53,56.2 111.54,56.2 111.54,56.48 111.53,56.49 111.53,56.71 111.5,56.74 ; 111.53,55.92 110.82,55.92 ; 111.53,55.92 112.14,55.92 ; C2205.2 88.57,43.32 v2(88.57,43.03) ; v2(79.78,43.17) 79.78,43.44 C2211.2 ; 88.47,70.05 87.86,70.05 v1(87.45,70.45) 87.36,70.36 v1(85.41,70.36) ; v1(20.8,100.53) 20.8,100.42 21.31,99.92 24.36,99.92 v1(24.46,99.81) ; J9800.61 121.99,132.2 ; J9800.61 123.54,132.5 v1(123.82,132.22) ; v2(54.3,112.56) v2(55.01,113.28) ; v2(79.14,43.17) 79.14,44.04 ; 79.14,44.04 C2211.2 ; v1(48.56,114.29) 48.31,114.54 R6721.2 ; 89.56,46.62 89.84,46.35 v2(89.84,46.22) v2(89.84,45.59) v2(89.84,44.95) ; 89.56,46.62 C2209.2 ; 89.56,46.62 89.56,46.58 89.25,46.27 v2(89.25,46.22) v2(89.25,45.59) v2(89.25,44.95) ; v2(78.69,44.82) 79.16,44.35 ; 79.16,44.35 79.16,44.72 v2(79.27,44.82) ; 111.5,56.74 v1(111.93,57.16) ; 111.5,56.74 110.92,56.74 110.82,56.63 110.82,56.54 110.84,56.51 110.84,56.24 110.82,56.22 110.82,56.02 ; v1(120.67,130.19) 121.99,131.51 121.99,132.2 ; 48.07,111.05 v1(48.54,110.58) ; 48.07,111.05 48.5,111.05 v1(48.54,111.09) ; v2(118.16,60.32) 118.22,60.38 118.22,60.76 ; 121.99,132.2 v1(120.07,130.28) ; 118.22,60.76 v2(118.67,60.32) ; 118.22,60.76 C1232.2 ; v2(53.59,111.14) v2(53.59,110.48) ; 101.62,76.29 101.62,76.95 101.67,77 101.67,77.01 101.62,77.06 101.62,77.13 v1(101.94,77.46) ; C9100.2 v1(27.4,78.41) ; R8413.2 v1(21.11,106.47) ; v1(45.64,109.97) 45.79,109.97 46.09,109.68 R6715.2 ; v1(49.96,113.02) 49.96,113.12 49.36,113.72 C6700.2 v1(48.56,113.72) ; 88.47,74.83 88.47,74.62 87.86,74.01 87.65,74.01 ; v2(52.88,112.56) v2(52.17,113.28) ; 87.95,44.24 87.95,44.61 87.97,44.61 v2(88.06,44.7) ; 84.12,71.95 84.43,72.26 88.47,72.26 ; v1(49.96,111.5) 49.31,110.85 C6701.2 ; R8409.2 v1(21.21,105.44) ; C8419.2 20.36,102.18 v1(20.19,102.35) ; v1(60.12,65.88) 59.81,65.57 58.8,65.57 58.7,65.68 v1(58.7,65.88) 58.7,66.18 v1(59.1,66.59) ; v1(45.79,114.21) 45.79,113.39 ; U8400.9 v1(17.45,100.26)